# KiCad board led_mapper_850_mirrored.kicad_pcb (continued)
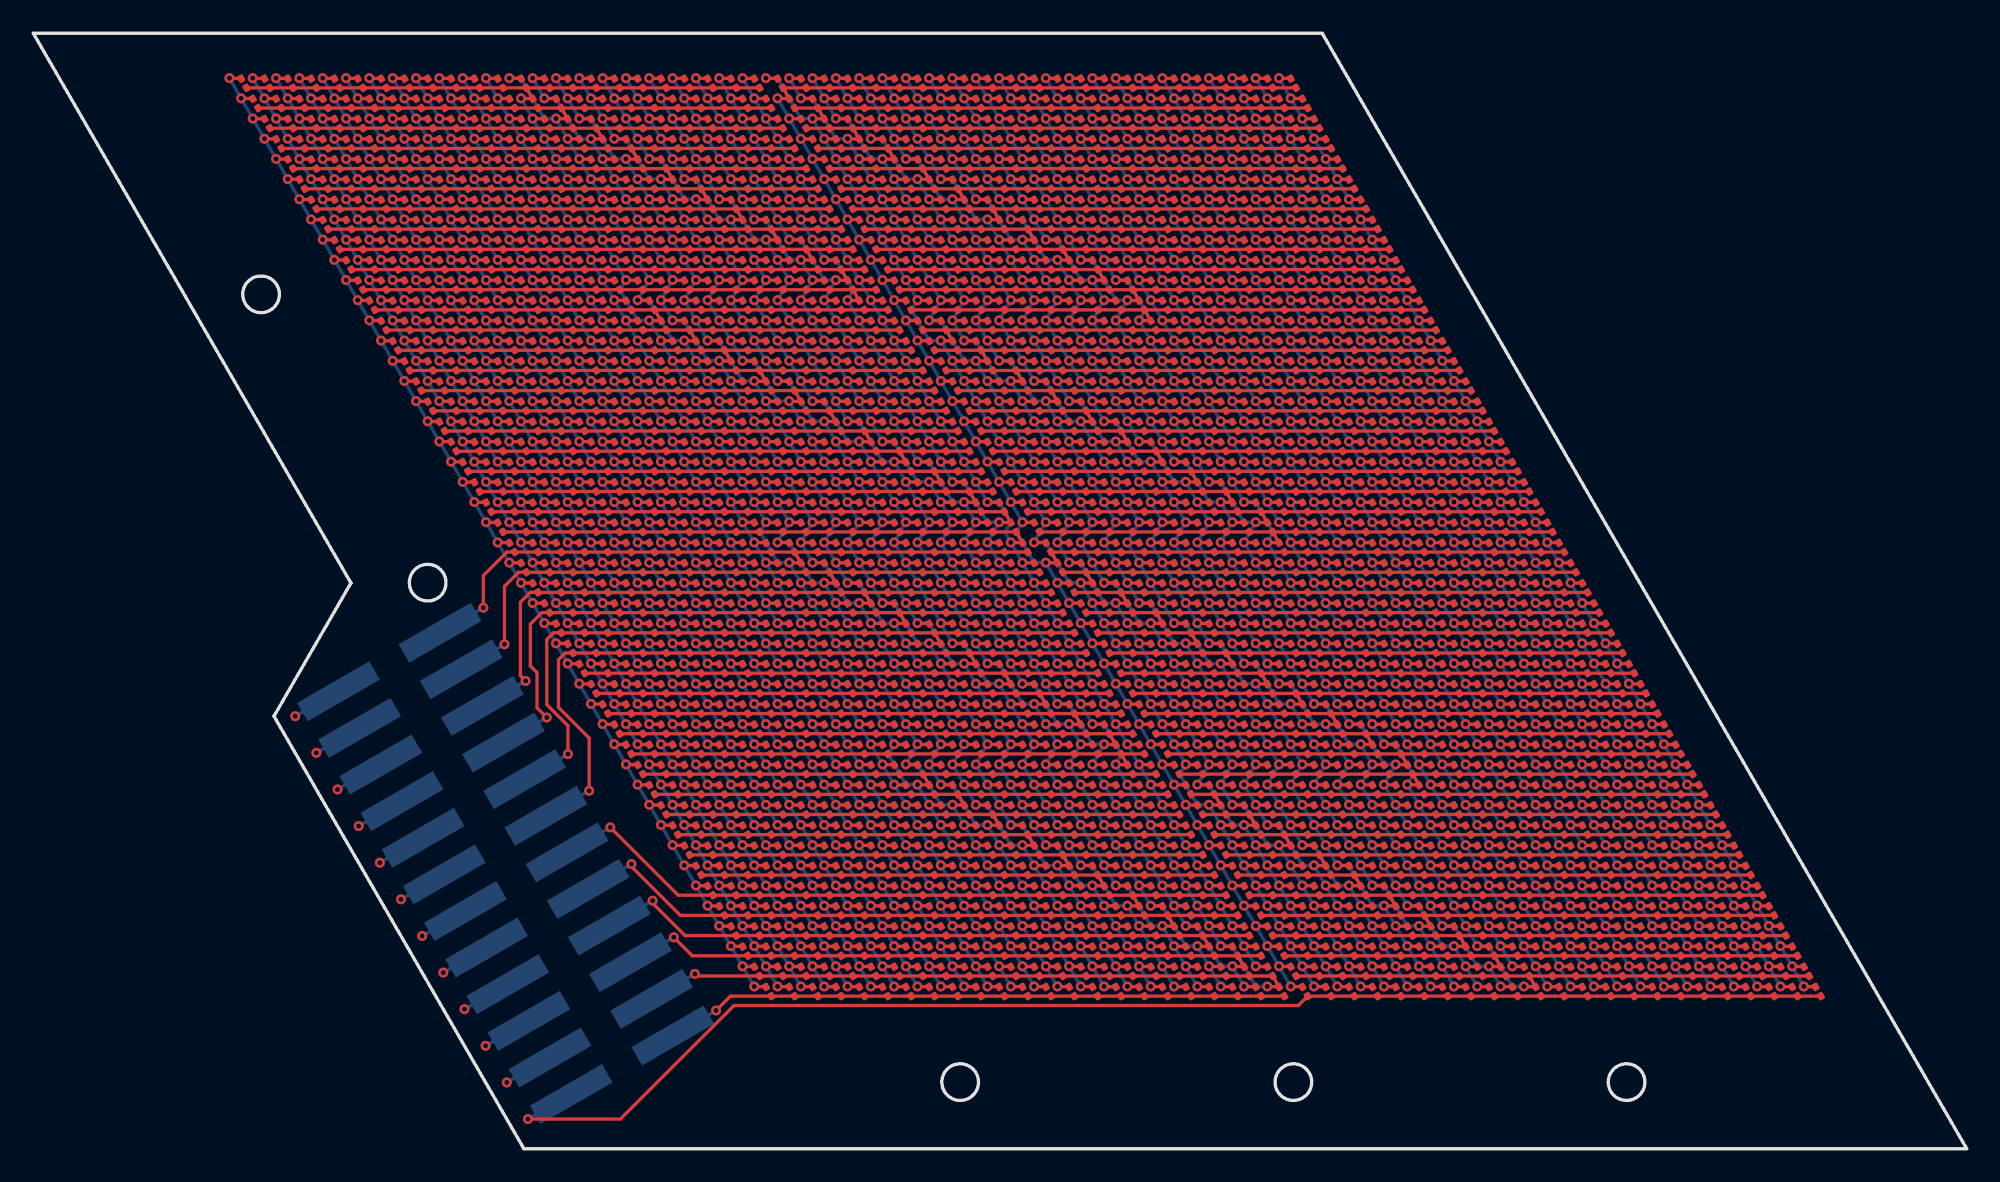
[diagram p0: board, top side]
## Placement (name value [footprint] x y rotation side) (continued)
D776  LED  [LED_0201_0603Metric_XINGLIGHT]  46.93 43.39 120 top
D777  LED  [LED_0201_0603Metric_XINGLIGHT]  48.33 43.39 120 top
D778  LED  [LED_0201_0603Metric_XINGLIGHT]  49.73 43.39 120 top
D779  LED  [LED_0201_0603Metric_XINGLIGHT]  51.13 43.39 120 top
D780  LED  [LED_0201_0603Metric_XINGLIGHT]  52.53 43.39 120 top
D781  LED  [LED_0201_0603Metric_XINGLIGHT]  53.93 43.39 120 top
D782  LED  [LED_0201_0603Metric_XINGLIGHT]  55.33 43.39 120 top
D783  LED  [LED_0201_0603Metric_XINGLIGHT]  56.73 43.39 120 top
D784  LED  [LED_0201_0603Metric_XINGLIGHT]  58.13 43.39 120 top
D785  LED  [LED_0201_0603Metric_XINGLIGHT]  59.53 43.39 120 top
D786  LED  [LED_0201_0603Metric_XINGLIGHT]  60.93 43.39 120 top
D787  LED  [LED_0201_0603Metric_XINGLIGHT]  62.33 43.39 120 top
D788  LED  [LED_0201_0603Metric_XINGLIGHT]  63.73 43.39 120 top
D789  LED  [LED_0201_0603Metric_XINGLIGHT]  65.13 43.39 120 top
D790  LED  [LED_0201_0603Metric_XINGLIGHT]  66.53 43.39 120 top
D791  LED  [LED_0201_0603Metric_XINGLIGHT]  67.93 43.39 120 top
D792  LED  [LED_0201_0603Metric_XINGLIGHT]  69.33 43.39 120 top
D793  LED  [LED_0201_0603Metric_XINGLIGHT]  70.73 43.39 120 top
D794  LED  [LED_0201_0603Metric_XINGLIGHT]  72.13 43.39 120 top
D795  LED  [LED_0201_0603Metric_XINGLIGHT]  73.53 43.39 120 top
D796  LED  [LED_0201_0603Metric_XINGLIGHT]  74.93 43.39 120 top
D797  LED  [LED_0201_0603Metric_XINGLIGHT]  76.33 43.39 120 top
D798  LED  [LED_0201_0603Metric_XINGLIGHT]  77.73 43.39 120 top
D799  LED  [LED_0201_0603Metric_XINGLIGHT]  79.13 43.39 120 top
D800  LED  [LED_0201_0603Metric_XINGLIGHT]  80.53 43.39 120 top
D801  LED  [LED_0201_0603Metric_XINGLIGHT]  81.93 43.39 120 top
D802  LED  [LED_0201_0603Metric_XINGLIGHT]  83.33 43.39 120 top
D803  LED  [LED_0201_0603Metric_XINGLIGHT]  84.73 43.39 120 top
D804  LED  [LED_0201_0603Metric_XINGLIGHT]  86.13 43.39 120 top
D805  LED  [LED_0201_0603Metric_XINGLIGHT]  87.53 43.39 120 top
D806  LED  [LED_0201_0603Metric_XINGLIGHT]  23.83 44.6 120 top
D807  LED  [LED_0201_0603Metric_XINGLIGHT]  25.23 44.6 120 top
D808  LED  [LED_0201_0603Metric_XINGLIGHT]  26.63 44.6 120 top
D809  LED  [LED_0201_0603Metric_XINGLIGHT]  28.03 44.6 120 top
D810  LED  [LED_0201_0603Metric_XINGLIGHT]  29.43 44.6 120 top
D811  LED  [LED_0201_0603Metric_XINGLIGHT]  30.83 44.6 120 top
D812  LED  [LED_0201_0603Metric_XINGLIGHT]  32.23 44.6 120 top
D813  LED  [LED_0201_0603Metric_XINGLIGHT]  33.63 44.6 120 top
D814  LED  [LED_0201_0603Metric_XINGLIGHT]  35.03 44.6 120 top
D815  LED  [LED_0201_0603Metric_XINGLIGHT]  36.43 44.6 120 top
D816  LED  [LED_0201_0603Metric_XINGLIGHT]  37.83 44.6 120 top
D817  LED  [LED_0201_0603Metric_XINGLIGHT]  39.23 44.6 120 top
D818  LED  [LED_0201_0603Metric_XINGLIGHT]  40.63 44.6 120 top
D819  LED  [LED_0201_0603Metric_XINGLIGHT]  42.03 44.6 120 top
D820  LED  [LED_0201_0603Metric_XINGLIGHT]  43.43 44.6 120 top
D821  LED  [LED_0201_0603Metric_XINGLIGHT]  44.83 44.6 120 top
D822  LED  [LED_0201_0603Metric_XINGLIGHT]  46.23 44.6 120 top
D823  LED  [LED_0201_0603Metric_XINGLIGHT]  47.63 44.6 120 top
D824  LED  [LED_0201_0603Metric_XINGLIGHT]  49.03 44.6 120 top
D825  LED  [LED_0201_0603Metric_XINGLIGHT]  50.43 44.6 120 top
D826  LED  [LED_0201_0603Metric_XINGLIGHT]  51.83 44.6 120 top
D827  LED  [LED_0201_0603Metric_XINGLIGHT]  53.23 44.6 120 top
D828  LED  [LED_0201_0603Metric_XINGLIGHT]  54.63 44.6 120 top
D829  LED  [LED_0201_0603Metric_XINGLIGHT]  56.03 44.6 120 top
D830  LED  [LED_0201_0603Metric_XINGLIGHT]  57.43 44.6 120 top
D831  LED  [LED_0201_0603Metric_XINGLIGHT]  58.83 44.6 120 top
D832  LED  [LED_0201_0603Metric_XINGLIGHT]  60.23 44.6 120 top
D833  LED  [LED_0201_0603Metric_XINGLIGHT]  61.63 44.6 120 top
D834  LED  [LED_0201_0603Metric_XINGLIGHT]  63.03 44.6 120 top
D835  LED  [LED_0201_0603Metric_XINGLIGHT]  64.43 44.6 120 top
D836  LED  [LED_0201_0603Metric_XINGLIGHT]  65.83 44.6 120 top
D837  LED  [LED_0201_0603Metric_XINGLIGHT]  67.23 44.6 120 top
D838  LED  [LED_0201_0603Metric_XINGLIGHT]  68.63 44.6 120 top
D839  LED  [LED_0201_0603Metric_XINGLIGHT]  70.03 44.6 120 top
D840  LED  [LED_0201_0603Metric_XINGLIGHT]  71.43 44.6 120 top
D841  LED  [LED_0201_0603Metric_XINGLIGHT]  72.83 44.6 120 top
D842  LED  [LED_0201_0603Metric_XINGLIGHT]  74.23 44.6 120 top
D843  LED  [LED_0201_0603Metric_XINGLIGHT]  75.63 44.6 120 top
D844  LED  [LED_0201_0603Metric_XINGLIGHT]  77.03 44.6 120 top
D845  LED  [LED_0201_0603Metric_XINGLIGHT]  78.43 44.6 120 top
D846  LED  [LED_0201_0603Metric_XINGLIGHT]  79.83 44.6 120 top
D847  LED  [LED_0201_0603Metric_XINGLIGHT]  81.23 44.6 120 top
D848  LED  [LED_0201_0603Metric_XINGLIGHT]  82.63 44.6 120 top
D849  LED  [LED_0201_0603Metric_XINGLIGHT]  84.03 44.6 120 top
D850  LED  [LED_0201_0603Metric_XINGLIGHT]  85.43 44.6 120 top
D851  LED  [LED_0201_0603Metric_XINGLIGHT]  86.83 44.6 120 top
D852  LED  [LED_0201_0603Metric_XINGLIGHT]  23.13 45.81 120 top
D853  LED  [LED_0201_0603Metric_XINGLIGHT]  24.53 45.81 120 top
D854  LED  [LED_0201_0603Metric_XINGLIGHT]  25.93 45.81 120 top
D855  LED  [LED_0201_0603Metric_XINGLIGHT]  27.33 45.81 120 top
D856  LED  [LED_0201_0603Metric_XINGLIGHT]  28.73 45.81 120 top
D857  LED  [LED_0201_0603Metric_XINGLIGHT]  30.13 45.81 120 top
D858  LED  [LED_0201_0603Metric_XINGLIGHT]  31.53 45.81 120 top
D859  LED  [LED_0201_0603Metric_XINGLIGHT]  32.93 45.81 120 top
D860  LED  [LED_0201_0603Metric_XINGLIGHT]  34.33 45.81 120 top
D861  LED  [LED_0201_0603Metric_XINGLIGHT]  35.73 45.81 120 top
D862  LED  [LED_0201_0603Metric_XINGLIGHT]  37.13 45.81 120 top
D863  LED  [LED_0201_0603Metric_XINGLIGHT]  38.53 45.81 120 top
D864  LED  [LED_0201_0603Metric_XINGLIGHT]  39.93 45.81 120 top
D865  LED  [LED_0201_0603Metric_XINGLIGHT]  41.33 45.81 120 top
D866  LED  [LED_0201_0603Metric_XINGLIGHT]  42.73 45.81 120 top
D867  LED  [LED_0201_0603Metric_XINGLIGHT]  44.13 45.81 120 top
D868  LED  [LED_0201_0603Metric_XINGLIGHT]  45.53 45.81 120 top
D869  LED  [LED_0201_0603Metric_XINGLIGHT]  46.93 45.81 120 top
D870  LED  [LED_0201_0603Metric_XINGLIGHT]  48.33 45.81 120 top
D871  LED  [LED_0201_0603Metric_XINGLIGHT]  49.73 45.81 120 top
D872  LED  [LED_0201_0603Metric_XINGLIGHT]  51.13 45.81 120 top
D873  LED  [LED_0201_0603Metric_XINGLIGHT]  52.53 45.81 120 top
D874  LED  [LED_0201_0603Metric_XINGLIGHT]  53.93 45.81 120 top
D875  LED  [LED_0201_0603Metric_XINGLIGHT]  55.33 45.81 120 top
D876  LED  [LED_0201_0603Metric_XINGLIGHT]  56.73 45.81 120 top
D877  LED  [LED_0201_0603Metric_XINGLIGHT]  58.13 45.81 120 top
D878  LED  [LED_0201_0603Metric_XINGLIGHT]  59.53 45.81 120 top
D879  LED  [LED_0201_0603Metric_XINGLIGHT]  60.93 45.81 120 top
D880  LED  [LED_0201_0603Metric_XINGLIGHT]  62.33 45.81 120 top
D881  LED  [LED_0201_0603Metric_XINGLIGHT]  63.73 45.81 120 top
D882  LED  [LED_0201_0603Metric_XINGLIGHT]  65.13 45.81 120 top
D883  LED  [LED_0201_0603Metric_XINGLIGHT]  66.53 45.81 120 top
D884  LED  [LED_0201_0603Metric_XINGLIGHT]  67.93 45.81 120 top
D885  LED  [LED_0201_0603Metric_XINGLIGHT]  69.33 45.81 120 top
D886  LED  [LED_0201_0603Metric_XINGLIGHT]  70.73 45.81 120 top
D887  LED  [LED_0201_0603Metric_XINGLIGHT]  72.13 45.81 120 top
D888  LED  [LED_0201_0603Metric_XINGLIGHT]  73.53 45.81 120 top
D889  LED  [LED_0201_0603Metric_XINGLIGHT]  74.93 45.81 120 top
D890  LED  [LED_0201_0603Metric_XINGLIGHT]  76.33 45.81 120 top
D891  LED  [LED_0201_0603Metric_XINGLIGHT]  77.73 45.81 120 top
D892  LED  [LED_0201_0603Metric_XINGLIGHT]  79.13 45.81 120 top
D893  LED  [LED_0201_0603Metric_XINGLIGHT]  80.53 45.81 120 top
D894  LED  [LED_0201_0603Metric_XINGLIGHT]  81.93 45.81 120 top
D895  LED  [LED_0201_0603Metric_XINGLIGHT]  83.33 45.81 120 top
D896  LED  [LED_0201_0603Metric_XINGLIGHT]  84.73 45.81 120 top
D897  LED  [LED_0201_0603Metric_XINGLIGHT]  86.13 45.81 120 top
D898  LED  [LED_0201_0603Metric_XINGLIGHT]  22.43 47.03 120 top
D899  LED  [LED_0201_0603Metric_XINGLIGHT]  23.83 47.03 120 top
D900  LED  [LED_0201_0603Metric_XINGLIGHT]  25.23 47.03 120 top
D901  LED  [LED_0201_0603Metric_XINGLIGHT]  26.63 47.03 120 top
D902  LED  [LED_0201_0603Metric_XINGLIGHT]  28.03 47.03 120 top
D903  LED  [LED_0201_0603Metric_XINGLIGHT]  29.43 47.03 120 top
D904  LED  [LED_0201_0603Metric_XINGLIGHT]  30.83 47.03 120 top
D905  LED  [LED_0201_0603Metric_XINGLIGHT]  32.23 47.03 120 top
D906  LED  [LED_0201_0603Metric_XINGLIGHT]  33.63 47.03 120 top
D907  LED  [LED_0201_0603Metric_XINGLIGHT]  35.03 47.03 120 top
D908  LED  [LED_0201_0603Metric_XINGLIGHT]  36.43 47.03 120 top
D909  LED  [LED_0201_0603Metric_XINGLIGHT]  37.83 47.03 120 top
D910  LED  [LED_0201_0603Metric_XINGLIGHT]  39.23 47.03 120 top
D911  LED  [LED_0201_0603Metric_XINGLIGHT]  40.63 47.03 120 top
D912  LED  [LED_0201_0603Metric_XINGLIGHT]  42.03 47.03 120 top
D913  LED  [LED_0201_0603Metric_XINGLIGHT]  43.43 47.03 120 top
D914  LED  [LED_0201_0603Metric_XINGLIGHT]  44.83 47.03 120 top
D915  LED  [LED_0201_0603Metric_XINGLIGHT]  46.23 47.03 120 top
D916  LED  [LED_0201_0603Metric_XINGLIGHT]  47.63 47.03 120 top
D917  LED  [LED_0201_0603Metric_XINGLIGHT]  49.03 47.03 120 top
D918  LED  [LED_0201_0603Metric_XINGLIGHT]  50.43 47.03 120 top
D919  LED  [LED_0201_0603Metric_XINGLIGHT]  51.83 47.03 120 top
D920  LED  [LED_0201_0603Metric_XINGLIGHT]  53.23 47.03 120 top
D921  LED  [LED_0201_0603Metric_XINGLIGHT]  54.63 47.03 120 top
D922  LED  [LED_0201_0603Metric_XINGLIGHT]  56.03 47.03 120 top
D923  LED  [LED_0201_0603Metric_XINGLIGHT]  57.43 47.03 120 top
D924  LED  [LED_0201_0603Metric_XINGLIGHT]  58.83 47.03 120 top
D925  LED  [LED_0201_0603Metric_XINGLIGHT]  60.23 47.03 120 top
D926  LED  [LED_0201_0603Metric_XINGLIGHT]  61.63 47.03 120 top
D927  LED  [LED_0201_0603Metric_XINGLIGHT]  63.03 47.03 120 top
D928  LED  [LED_0201_0603Metric_XINGLIGHT]  64.43 47.03 120 top
D929  LED  [LED_0201_0603Metric_XINGLIGHT]  65.83 47.03 120 top
D930  LED  [LED_0201_0603Metric_XINGLIGHT]  67.23 47.03 120 top
D931  LED  [LED_0201_0603Metric_XINGLIGHT]  68.63 47.03 120 top
D932  LED  [LED_0201_0603Metric_XINGLIGHT]  70.03 47.03 120 top
D933  LED  [LED_0201_0603Metric_XINGLIGHT]  71.43 47.03 120 top
D934  LED  [LED_0201_0603Metric_XINGLIGHT]  72.83 47.03 120 top
D935  LED  [LED_0201_0603Metric_XINGLIGHT]  74.23 47.03 120 top
D936  LED  [LED_0201_0603Metric_XINGLIGHT]  75.63 47.03 120 top
D937  LED  [LED_0201_0603Metric_XINGLIGHT]  77.03 47.03 120 top
D938  LED  [LED_0201_0603Metric_XINGLIGHT]  78.43 47.03 120 top
D939  LED  [LED_0201_0603Metric_XINGLIGHT]  79.83 47.03 120 top
D940  LED  [LED_0201_0603Metric_XINGLIGHT]  81.23 47.03 120 top
D941  LED  [LED_0201_0603Metric_XINGLIGHT]  82.63 47.03 120 top
D942  LED  [LED_0201_0603Metric_XINGLIGHT]  84.03 47.03 120 top
D943  LED  [LED_0201_0603Metric_XINGLIGHT]  85.43 47.03 120 top
D944  LED  [LED_0201_0603Metric_XINGLIGHT]  21.73 48.24 120 top
D945  LED  [LED_0201_0603Metric_XINGLIGHT]  23.13 48.24 120 top
D946  LED  [LED_0201_0603Metric_XINGLIGHT]  24.53 48.24 120 top
D947  LED  [LED_0201_0603Metric_XINGLIGHT]  25.93 48.24 120 top
D948  LED  [LED_0201_0603Metric_XINGLIGHT]  27.33 48.24 120 top
D949  LED  [LED_0201_0603Metric_XINGLIGHT]  28.73 48.24 120 top
D950  LED  [LED_0201_0603Metric_XINGLIGHT]  30.13 48.24 120 top
D951  LED  [LED_0201_0603Metric_XINGLIGHT]  31.53 48.24 120 top
D952  LED  [LED_0201_0603Metric_XINGLIGHT]  32.93 48.24 120 top
D953  LED  [LED_0201_0603Metric_XINGLIGHT]  34.33 48.24 120 top
D954  LED  [LED_0201_0603Metric_XINGLIGHT]  35.73 48.24 120 top
D955  LED  [LED_0201_0603Metric_XINGLIGHT]  37.13 48.24 120 top
D956  LED  [LED_0201_0603Metric_XINGLIGHT]  38.53 48.24 120 top
D957  LED  [LED_0201_0603Metric_XINGLIGHT]  39.93 48.24 120 top
D958  LED  [LED_0201_0603Metric_XINGLIGHT]  41.33 48.24 120 top
D959  LED  [LED_0201_0603Metric_XINGLIGHT]  42.73 48.24 120 top
D960  LED  [LED_0201_0603Metric_XINGLIGHT]  44.13 48.24 120 top
D961  LED  [LED_0201_0603Metric_XINGLIGHT]  45.53 48.24 120 top
D962  LED  [LED_0201_0603Metric_XINGLIGHT]  46.93 48.24 120 top
D963  LED  [LED_0201_0603Metric_XINGLIGHT]  48.33 48.24 120 top
D964  LED  [LED_0201_0603Metric_XINGLIGHT]  49.73 48.24 120 top
D965  LED  [LED_0201_0603Metric_XINGLIGHT]  51.13 48.24 120 top
D966  LED  [LED_0201_0603Metric_XINGLIGHT]  52.53 48.24 120 top
D967  LED  [LED_0201_0603Metric_XINGLIGHT]  53.93 48.24 120 top
D968  LED  [LED_0201_0603Metric_XINGLIGHT]  55.33 48.24 120 top
D969  LED  [LED_0201_0603Metric_XINGLIGHT]  56.73 48.24 120 top
D970  LED  [LED_0201_0603Metric_XINGLIGHT]  58.13 48.24 120 top
D971  LED  [LED_0201_0603Metric_XINGLIGHT]  59.53 48.24 120 top
D972  LED  [LED_0201_0603Metric_XINGLIGHT]  60.93 48.24 120 top
D973  LED  [LED_0201_0603Metric_XINGLIGHT]  62.33 48.24 120 top
D974  LED  [LED_0201_0603Metric_XINGLIGHT]  63.73 48.24 120 top
D975  LED  [LED_0201_0603Metric_XINGLIGHT]  65.13 48.24 120 top
D976  LED  [LED_0201_0603Metric_XINGLIGHT]  66.53 48.24 120 top
D977  LED  [LED_0201_0603Metric_XINGLIGHT]  67.93 48.24 120 top
D978  LED  [LED_0201_0603Metric_XINGLIGHT]  69.33 48.24 120 top
D979  LED  [LED_0201_0603Metric_XINGLIGHT]  70.73 48.24 120 top
D980  LED  [LED_0201_0603Metric_XINGLIGHT]  72.13 48.24 120 top
D981  LED  [LED_0201_0603Metric_XINGLIGHT]  73.53 48.24 120 top
D982  LED  [LED_0201_0603Metric_XINGLIGHT]  74.93 48.24 120 top
D983  LED  [LED_0201_0603Metric_XINGLIGHT]  76.33 48.24 120 top
D984  LED  [LED_0201_0603Metric_XINGLIGHT]  77.73 48.24 120 top
D985  LED  [LED_0201_0603Metric_XINGLIGHT]  79.13 48.24 120 top
D986  LED  [LED_0201_0603Metric_XINGLIGHT]  80.53 48.24 120 top
D987  LED  [LED_0201_0603Metric_XINGLIGHT]  81.93 48.24 120 top
D988  LED  [LED_0201_0603Metric_XINGLIGHT]  83.33 48.24 120 top
D989  LED  [LED_0201_0603Metric_XINGLIGHT]  84.73 48.24 120 top
D990  LED  [LED_0201_0603Metric_XINGLIGHT]  21.03 49.45 120 top
D991  LED  [LED_0201_0603Metric_XINGLIGHT]  22.43 49.45 120 top
D992  LED  [LED_0201_0603Metric_XINGLIGHT]  23.83 49.45 120 top
D993  LED  [LED_0201_0603Metric_XINGLIGHT]  25.23 49.45 120 top
D994  LED  [LED_0201_0603Metric_XINGLIGHT]  26.63 49.45 120 top
D995  LED  [LED_0201_0603Metric_XINGLIGHT]  28.03 49.45 120 top
D996  LED  [LED_0201_0603Metric_XINGLIGHT]  29.43 49.45 120 top
D997  LED  [LED_0201_0603Metric_XINGLIGHT]  30.83 49.45 120 top
D998  LED  [LED_0201_0603Metric_XINGLIGHT]  32.23 49.45 120 top
D999  LED  [LED_0201_0603Metric_XINGLIGHT]  33.63 49.45 120 top
D1000  LED  [LED_0201_0603Metric_XINGLIGHT]  35.03 49.45 120 top
D1001  LED  [LED_0201_0603Metric_XINGLIGHT]  36.43 49.45 120 top
D1002  LED  [LED_0201_0603Metric_XINGLIGHT]  37.83 49.45 120 top
D1003  LED  [LED_0201_0603Metric_XINGLIGHT]  39.23 49.45 120 top
D1004  LED  [LED_0201_0603Metric_XINGLIGHT]  40.63 49.45 120 top
D1005  LED  [LED_0201_0603Metric_XINGLIGHT]  42.03 49.45 120 top
D1006  LED  [LED_0201_0603Metric_XINGLIGHT]  43.43 49.45 120 top
D1007  LED  [LED_0201_0603Metric_XINGLIGHT]  44.83 49.45 120 top
D1008  LED  [LED_0201_0603Metric_XINGLIGHT]  46.23 49.45 120 top
D1009  LED  [LED_0201_0603Metric_XINGLIGHT]  47.63 49.45 120 top
D1010  LED  [LED_0201_0603Metric_XINGLIGHT]  49.03 49.45 120 top
D1011  LED  [LED_0201_0603Metric_XINGLIGHT]  50.43 49.45 120 top
D1012  LED  [LED_0201_0603Metric_XINGLIGHT]  51.83 49.45 120 top
D1013  LED  [LED_0201_0603Metric_XINGLIGHT]  53.23 49.45 120 top
D1014  LED  [LED_0201_0603Metric_XINGLIGHT]  54.63 49.45 120 top
D1015  LED  [LED_0201_0603Metric_XINGLIGHT]  56.03 49.45 120 top
D1016  LED  [LED_0201_0603Metric_XINGLIGHT]  57.43 49.45 120 top
D1017  LED  [LED_0201_0603Metric_XINGLIGHT]  58.83 49.45 120 top
D1018  LED  [LED_0201_0603Metric_XINGLIGHT]  60.23 49.45 120 top
D1019  LED  [LED_0201_0603Metric_XINGLIGHT]  61.63 49.45 120 top
D1020  LED  [LED_0201_0603Metric_XINGLIGHT]  63.03 49.45 120 top
D1021  LED  [LED_0201_0603Metric_XINGLIGHT]  64.43 49.45 120 top
D1022  LED  [LED_0201_0603Metric_XINGLIGHT]  65.83 49.45 120 top
D1023  LED  [LED_0201_0603Metric_XINGLIGHT]  67.23 49.45 120 top
D1024  LED  [LED_0201_0603Metric_XINGLIGHT]  68.63 49.45 120 top
D1025  LED  [LED_0201_0603Metric_XINGLIGHT]  70.03 49.45 120 top
D1026  LED  [LED_0201_0603Metric_XINGLIGHT]  71.43 49.45 120 top
D1027  LED  [LED_0201_0603Metric_XINGLIGHT]  72.83 49.45 120 top
D1028  LED  [LED_0201_0603Metric_XINGLIGHT]  74.23 49.45 120 top
D1029  LED  [LED_0201_0603Metric_XINGLIGHT]  75.63 49.45 120 top
D1030  LED  [LED_0201_0603Metric_XINGLIGHT]  77.03 49.45 120 top
D1031  LED  [LED_0201_0603Metric_XINGLIGHT]  78.43 49.45 120 top
D1032  LED  [LED_0201_0603Metric_XINGLIGHT]  79.83 49.45 120 top
D1033  LED  [LED_0201_0603Metric_XINGLIGHT]  81.23 49.45 120 top
D1034  LED  [LED_0201_0603Metric_XINGLIGHT]  82.63 49.45 120 top
D1035  LED  [LED_0201_0603Metric_XINGLIGHT]  84.03 49.45 120 top
D1036  LED  [LED_0201_0603Metric_XINGLIGHT]  20.33 50.66 120 top
D1037  LED  [LED_0201_0603Metric_XINGLIGHT]  21.73 50.66 120 top
D1038  LED  [LED_0201_0603Metric_XINGLIGHT]  23.13 50.66 120 top
D1039  LED  [LED_0201_0603Metric_XINGLIGHT]  24.53 50.66 120 top
D1040  LED  [LED_0201_0603Metric_XINGLIGHT]  25.93 50.66 120 top
D1041  LED  [LED_0201_0603Metric_XINGLIGHT]  27.33 50.66 120 top
D1042  LED  [LED_0201_0603Metric_XINGLIGHT]  28.73 50.66 120 top
D1043  LED  [LED_0201_0603Metric_XINGLIGHT]  30.13 50.66 120 top
D1044  LED  [LED_0201_0603Metric_XINGLIGHT]  31.53 50.66 120 top
D1045  LED  [LED_0201_0603Metric_XINGLIGHT]  32.93 50.66 120 top
D1046  LED  [LED_0201_0603Metric_XINGLIGHT]  34.33 50.66 120 top
D1047  LED  [LED_0201_0603Metric_XINGLIGHT]  35.73 50.66 120 top
D1048  LED  [LED_0201_0603Metric_XINGLIGHT]  37.13 50.66 120 top
D1049  LED  [LED_0201_0603Metric_XINGLIGHT]  38.53 50.66 120 top
D1050  LED  [LED_0201_0603Metric_XINGLIGHT]  39.93 50.66 120 top
D1051  LED  [LED_0201_0603Metric_XINGLIGHT]  41.33 50.66 120 top
D1052  LED  [LED_0201_0603Metric_XINGLIGHT]  42.73 50.66 120 top
D1053  LED  [LED_0201_0603Metric_XINGLIGHT]  44.13 50.66 120 top
D1054  LED  [LED_0201_0603Metric_XINGLIGHT]  45.53 50.66 120 top
D1055  LED  [LED_0201_0603Metric_XINGLIGHT]  46.93 50.66 120 top
D1056  LED  [LED_0201_0603Metric_XINGLIGHT]  48.33 50.66 120 top
D1057  LED  [LED_0201_0603Metric_XINGLIGHT]  49.73 50.66 120 top
D1058  LED  [LED_0201_0603Metric_XINGLIGHT]  51.13 50.66 120 top
D1059  LED  [LED_0201_0603Metric_XINGLIGHT]  91.73 36.11 120 top
D1060  LED  [LED_0201_0603Metric_XINGLIGHT]  90.33 36.11 120 top
D1061  LED  [LED_0201_0603Metric_XINGLIGHT]  88.93 36.11 120 top
D1062  LED  [LED_0201_0603Metric_XINGLIGHT]  87.53 36.11 120 top
D1063  LED  [LED_0201_0603Metric_XINGLIGHT]  86.13 36.11 120 top
D1064  LED  [LED_0201_0603Metric_XINGLIGHT]  84.73 36.11 120 top
D1065  LED  [LED_0201_0603Metric_XINGLIGHT]  83.33 36.11 120 top
D1066  LED  [LED_0201_0603Metric_XINGLIGHT]  81.93 36.11 120 top
D1067  LED  [LED_0201_0603Metric_XINGLIGHT]  80.53 36.11 120 top
D1068  LED  [LED_0201_0603Metric_XINGLIGHT]  79.13 36.11 120 top
D1069  LED  [LED_0201_0603Metric_XINGLIGHT]  77.73 36.11 120 top
D1070  LED  [LED_0201_0603Metric_XINGLIGHT]  76.33 36.11 120 top
D1071  LED  [LED_0201_0603Metric_XINGLIGHT]  74.93 36.11 120 top
D1072  LED  [LED_0201_0603Metric_XINGLIGHT]  73.53 36.11 120 top
D1073  LED  [LED_0201_0603Metric_XINGLIGHT]  72.13 36.11 120 top
D1074  LED  [LED_0201_0603Metric_XINGLIGHT]  70.73 36.11 120 top
D1075  LED  [LED_0201_0603Metric_XINGLIGHT]  69.33 36.11 120 top
D1076  LED  [LED_0201_0603Metric_XINGLIGHT]  67.93 36.11 120 top
D1077  LED  [LED_0201_0603Metric_XINGLIGHT]  66.53 36.11 120 top
D1078  LED  [LED_0201_0603Metric_XINGLIGHT]  65.13 36.11 120 top
D1079  LED  [LED_0201_0603Metric_XINGLIGHT]  63.73 36.11 120 top
D1080  LED  [LED_0201_0603Metric_XINGLIGHT]  62.33 36.11 120 top
D1081  LED  [LED_0201_0603Metric_XINGLIGHT]  60.93 36.11 120 top
D1082  LED  [LED_0201_0603Metric_XINGLIGHT]  59.53 36.11 120 top
D1083  LED  [LED_0201_0603Metric_XINGLIGHT]  58.13 36.11 120 top
D1084  LED  [LED_0201_0603Metric_XINGLIGHT]  56.73 36.11 120 top
D1085  LED  [LED_0201_0603Metric_XINGLIGHT]  55.33 36.11 120 top
D1086  LED  [LED_0201_0603Metric_XINGLIGHT]  53.93 36.11 120 top
D1087  LED  [LED_0201_0603Metric_XINGLIGHT]  52.53 36.11 120 top
D1088  LED  [LED_0201_0603Metric_XINGLIGHT]  51.13 36.11 120 top
D1089  LED  [LED_0201_0603Metric_XINGLIGHT]  49.73 36.11 120 top
D1090  LED  [LED_0201_0603Metric_XINGLIGHT]  48.33 36.11 120 top
D1091  LED  [LED_0201_0603Metric_XINGLIGHT]  46.93 36.11 120 top
D1092  LED  [LED_0201_0603Metric_XINGLIGHT]  45.53 36.11 120 top
D1093  LED  [LED_0201_0603Metric_XINGLIGHT]  44.13 36.11 120 top
D1094  LED  [LED_0201_0603Metric_XINGLIGHT]  42.73 36.11 120 top
D1095  LED  [LED_0201_0603Metric_XINGLIGHT]  41.33 36.11 120 top
D1096  LED  [LED_0201_0603Metric_XINGLIGHT]  39.93 36.11 120 top
D1097  LED  [LED_0201_0603Metric_XINGLIGHT]  38.53 36.11 120 top
D1098  LED  [LED_0201_0603Metric_XINGLIGHT]  37.13 36.11 120 top
D1099  LED  [LED_0201_0603Metric_XINGLIGHT]  35.73 36.11 120 top
D1100  LED  [LED_0201_0603Metric_XINGLIGHT]  34.33 36.11 120 top
D1101  LED  [LED_0201_0603Metric_XINGLIGHT]  32.93 36.11 120 top
D1102  LED  [LED_0201_0603Metric_XINGLIGHT]  31.53 36.11 120 top
D1103  LED  [LED_0201_0603Metric_XINGLIGHT]  30.13 36.11 120 top
D1104  LED  [LED_0201_0603Metric_XINGLIGHT]  28.73 36.11 120 top
D1105  LED  [LED_0201_0603Metric_XINGLIGHT]  92.43 34.9 120 top
D1106  LED  [LED_0201_0603Metric_XINGLIGHT]  91.03 34.9 120 top
D1107  LED  [LED_0201_0603Metric_XINGLIGHT]  89.63 34.9 120 top
D1108  LED  [LED_0201_0603Metric_XINGLIGHT]  88.23 34.9 120 top
D1109  LED  [LED_0201_0603Metric_XINGLIGHT]  86.83 34.9 120 top
D1110  LED  [LED_0201_0603Metric_XINGLIGHT]  85.43 34.9 120 top
D1111  LED  [LED_0201_0603Metric_XINGLIGHT]  84.03 34.9 120 top
D1112  LED  [LED_0201_0603Metric_XINGLIGHT]  82.63 34.9 120 top
D1113  LED  [LED_0201_0603Metric_XINGLIGHT]  81.23 34.9 120 top
D1114  LED  [LED_0201_0603Metric_XINGLIGHT]  79.83 34.9 120 top
D1115  LED  [LED_0201_0603Metric_XINGLIGHT]  78.43 34.9 120 top
D1116  LED  [LED_0201_0603Metric_XINGLIGHT]  77.03 34.9 120 top
D1117  LED  [LED_0201_0603Metric_XINGLIGHT]  75.63 34.9 120 top
D1118  LED  [LED_0201_0603Metric_XINGLIGHT]  74.23 34.9 120 top
D1119  LED  [LED_0201_0603Metric_XINGLIGHT]  72.83 34.9 120 top
D1120  LED  [LED_0201_0603Metric_XINGLIGHT]  71.43 34.9 120 top
D1121  LED  [LED_0201_0603Metric_XINGLIGHT]  70.03 34.9 120 top
D1122  LED  [LED_0201_0603Metric_XINGLIGHT]  68.63 34.9 120 top
D1123  LED  [LED_0201_0603Metric_XINGLIGHT]  67.23 34.9 120 top
D1124  LED  [LED_0201_0603Metric_XINGLIGHT]  65.83 34.9 120 top
D1125  LED  [LED_0201_0603Metric_XINGLIGHT]  64.43 34.9 120 top
D1126  LED  [LED_0201_0603Metric_XINGLIGHT]  63.03 34.9 120 top
D1127  LED  [LED_0201_0603Metric_XINGLIGHT]  61.63 34.9 120 top
D1128  LED  [LED_0201_0603Metric_XINGLIGHT]  60.23 34.9 120 top
D1129  LED  [LED_0201_0603Metric_XINGLIGHT]  58.83 34.9 120 top
D1130  LED  [LED_0201_0603Metric_XINGLIGHT]  57.43 34.9 120 top
D1131  LED  [LED_0201_0603Metric_XINGLIGHT]  56.03 34.9 120 top
D1132  LED  [LED_0201_0603Metric_XINGLIGHT]  54.63 34.9 120 top
D1133  LED  [LED_0201_0603Metric_XINGLIGHT]  53.23 34.9 120 top
D1134  LED  [LED_0201_0603Metric_XINGLIGHT]  51.83 34.9 120 top
D1135  LED  [LED_0201_0603Metric_XINGLIGHT]  50.43 34.9 120 top
D1136  LED  [LED_0201_0603Metric_XINGLIGHT]  49.03 34.9 120 top
D1137  LED  [LED_0201_0603Metric_XINGLIGHT]  47.63 34.9 120 top
D1138  LED  [LED_0201_0603Metric_XINGLIGHT]  46.23 34.9 120 top
D1139  LED  [LED_0201_0603Metric_XINGLIGHT]  44.83 34.9 120 top
D1140  LED  [LED_0201_0603Metric_XINGLIGHT]  43.43 34.9 120 top
D1141  LED  [LED_0201_0603Metric_XINGLIGHT]  42.03 34.9 120 top
D1142  LED  [LED_0201_0603Metric_XINGLIGHT]  40.63 34.9 120 top
D1143  LED  [LED_0201_0603Metric_XINGLIGHT]  39.23 34.9 120 top
D1144  LED  [LED_0201_0603Metric_XINGLIGHT]  37.83 34.9 120 top
D1145  LED  [LED_0201_0603Metric_XINGLIGHT]  36.43 34.9 120 top
D1146  LED  [LED_0201_0603Metric_XINGLIGHT]  35.03 34.9 120 top
D1147  LED  [LED_0201_0603Metric_XINGLIGHT]  33.63 34.9 120 top
D1148  LED  [LED_0201_0603Metric_XINGLIGHT]  32.23 34.9 120 top
D1149  LED  [LED_0201_0603Metric_XINGLIGHT]  30.83 34.9 120 top
D1150  LED  [LED_0201_0603Metric_XINGLIGHT]  29.43 34.9 120 top
D1151  LED  [LED_0201_0603Metric_XINGLIGHT]  93.13 33.69 120 top
D1152  LED  [LED_0201_0603Metric_XINGLIGHT]  91.73 33.69 120 top
D1153  LED  [LED_0201_0603Metric_XINGLIGHT]  90.33 33.69 120 top
D1154  LED  [LED_0201_0603Metric_XINGLIGHT]  88.93 33.69 120 top
D1155  LED  [LED_0201_0603Metric_XINGLIGHT]  87.53 33.69 120 top
D1156  LED  [LED_0201_0603Metric_XINGLIGHT]  86.13 33.69 120 top
D1157  LED  [LED_0201_0603Metric_XINGLIGHT]  84.73 33.69 120 top
D1158  LED  [LED_0201_0603Metric_XINGLIGHT]  83.33 33.69 120 top
D1159  LED  [LED_0201_0603Metric_XINGLIGHT]  81.93 33.69 120 top
D1160  LED  [LED_0201_0603Metric_XINGLIGHT]  80.53 33.69 120 top
D1161  LED  [LED_0201_0603Metric_XINGLIGHT]  79.13 33.69 120 top
D1162  LED  [LED_0201_0603Metric_XINGLIGHT]  77.73 33.69 120 top
D1163  LED  [LED_0201_0603Metric_XINGLIGHT]  76.33 33.69 120 top